# KiCad board 8x8.kicad_pcb (continued)
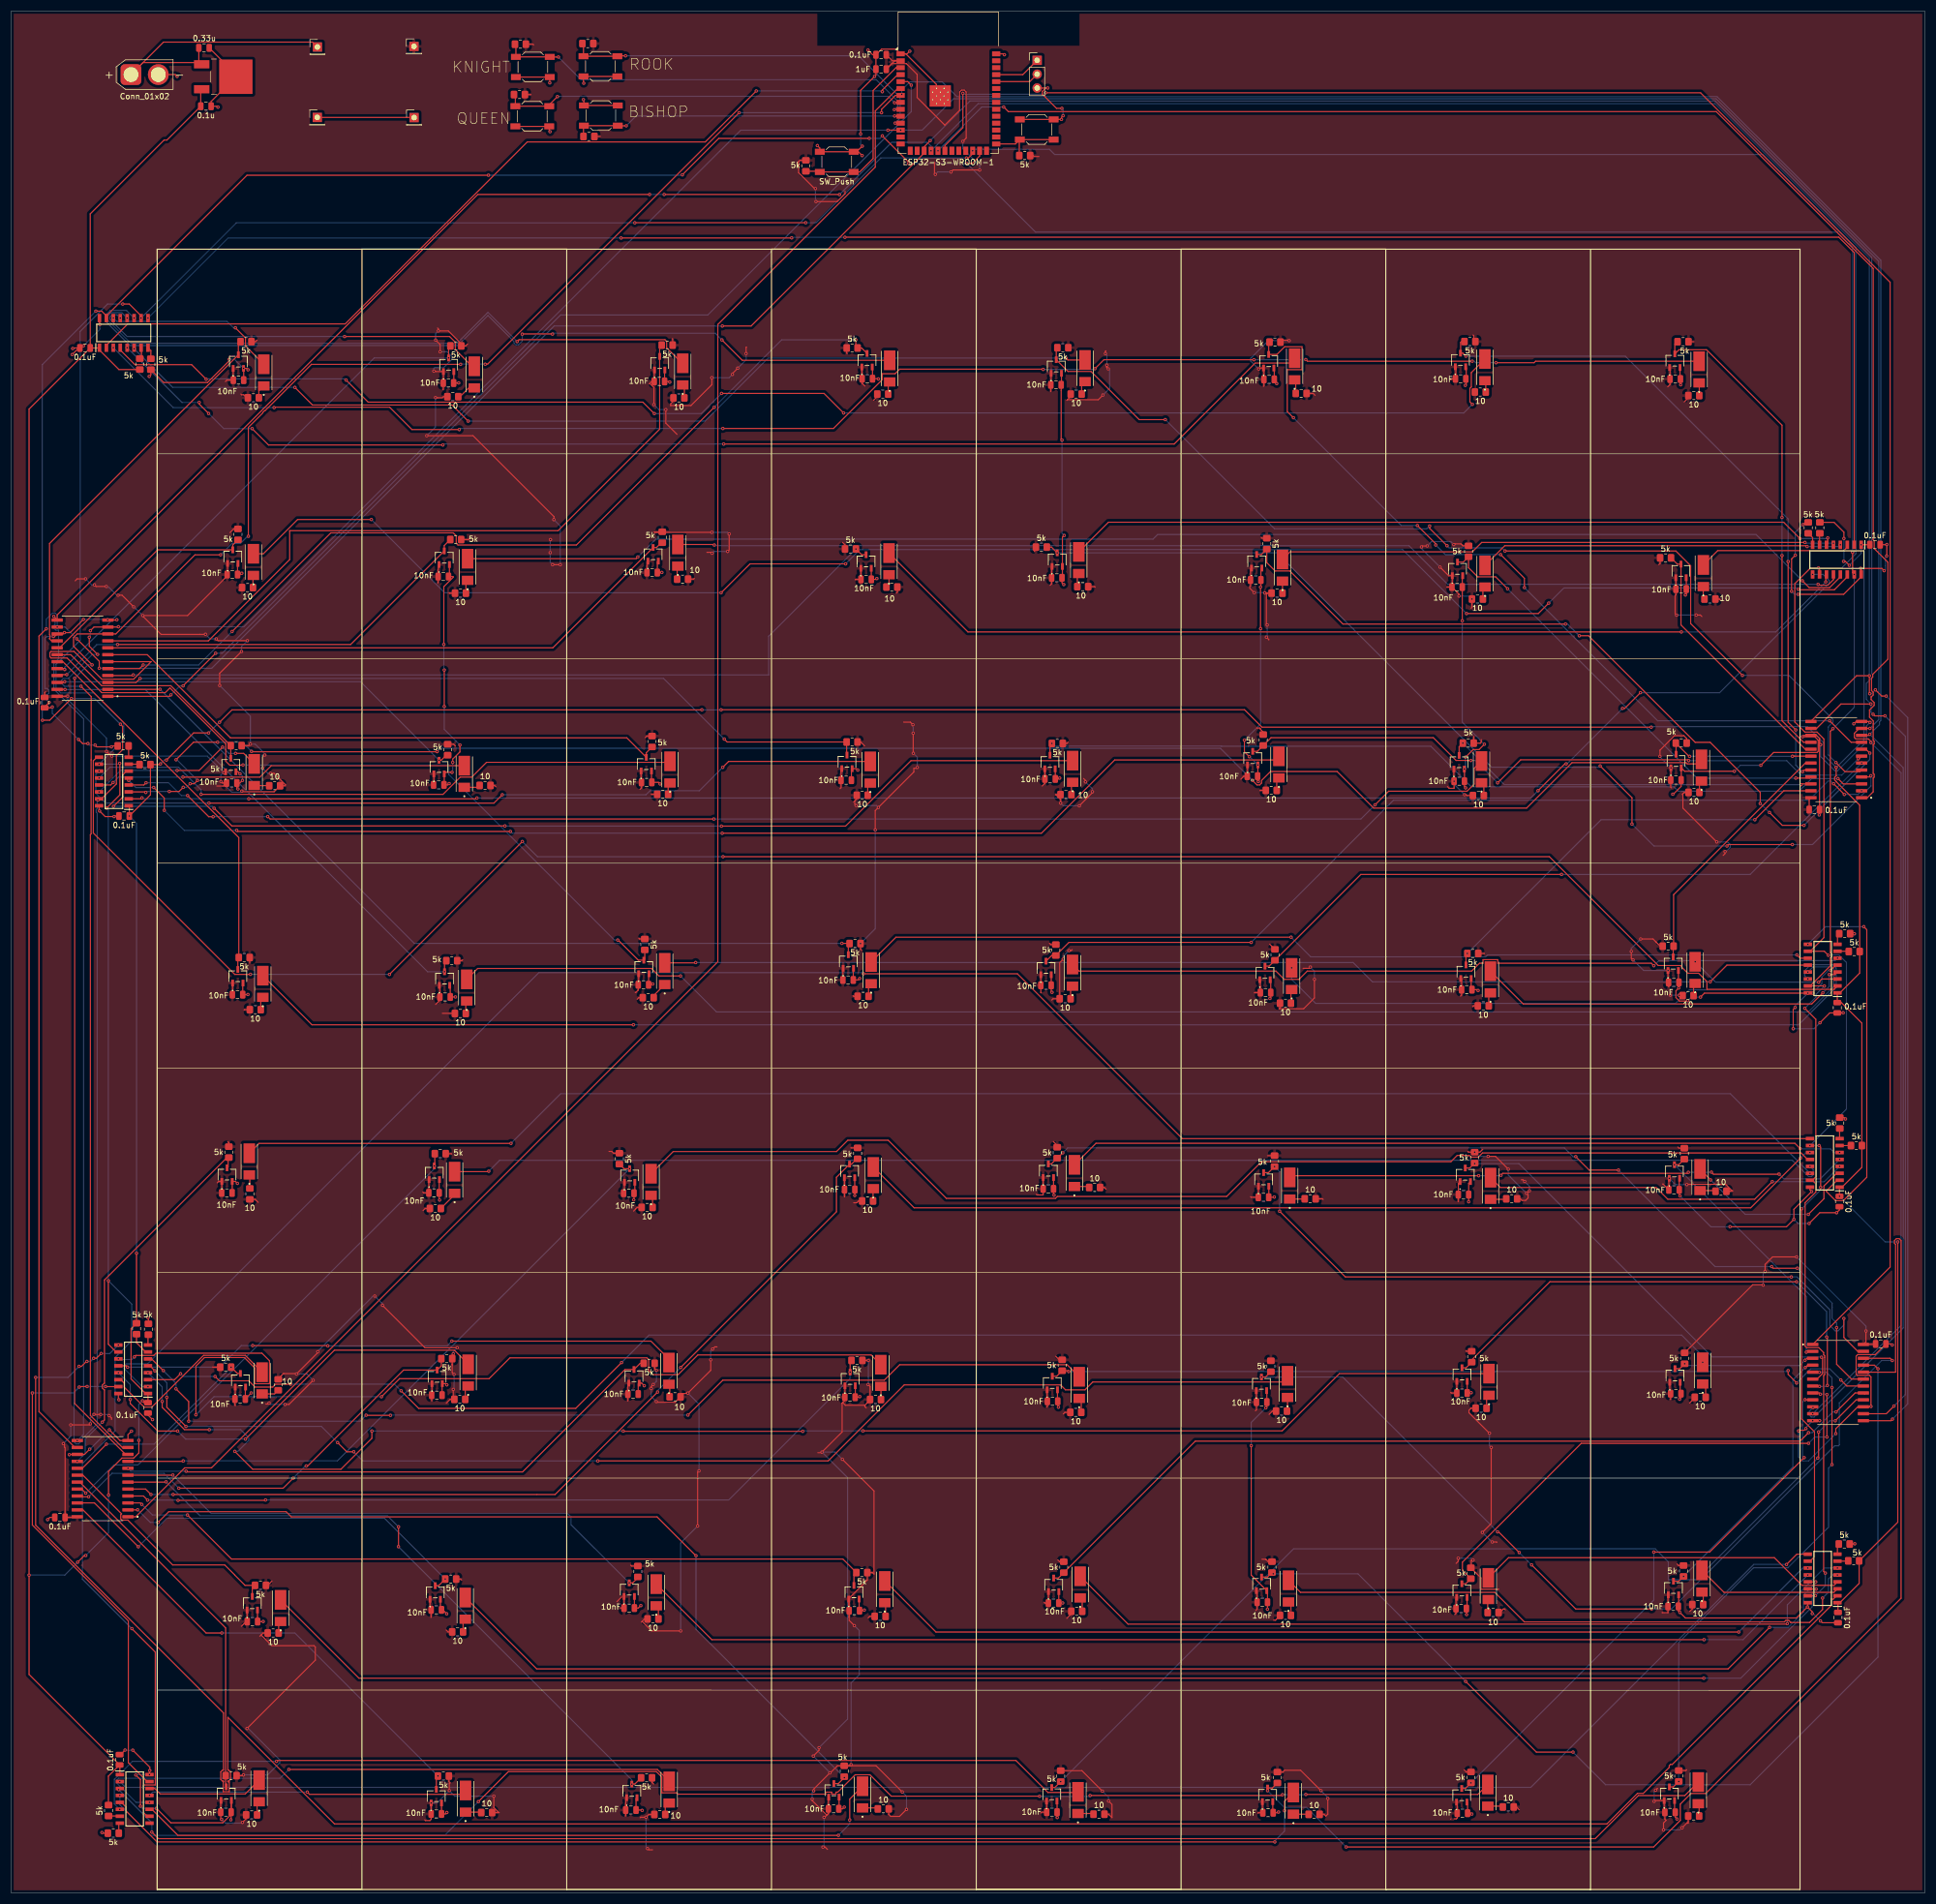
[diagram p0: board, top side]
## Nets (continued)
/HALL24: J47.3 R123.1 U10.2
/HALL25: J60.3 R135.1 U10.23
/HALL26: J58.3 R133.1 U10.22
/HALL27: J54.3 R129.1 U10.21
/HALL28: J55.3 R130.1 U10.20
/HALL29: J66.3 R143.1 U10.19
/HALL30: J67.3 R144.1 U10.18
/HALL31: J62.3 R139.1 U10.17
/HALL32: J63.3 R140.1 U10.16
/HALL33: J8.3 R80.1 U11.9
/HALL34: J3.3 R75.1 U11.8
/HALL35: J6.3 R78.1 U11.7
/HALL36: J4.3 R76.1 U11.6
/HALL37: J16.3 R88.1 U11.5
/HALL38: J14.3 R84.1 U11.4
/HALL39: J11.3 R85.1 U11.3
/HALL40: J12.3 R86.1 U11.2
/HALL41: J24.3 R104.1 U11.23
/HALL42: J22.3 R102.1 U11.22
/HALL43: J19.3 R99.1 U11.21
/HALL44: J20.3 R100.1 U11.20
/HALL45: J31.3 R111.1 U11.19
/HALL46: J32.3 R112.1 U11.18
/HALL47: J27.3 R107.1 U11.17
/HALL48: J28.3 R108.1 U11.16
/HALL49: J40.3 R120.1 U13.9
/HALL50: J35.3 R115.1 U13.8
/HALL51: J38.3 R118.1 U13.7
/HALL52: J36.3 R116.1 U13.6
/HALL53: J53.3 R128.1 U13.5
/HALL54: J51.3 R124.1 U13.4
/HALL55: J48.3 R125.1 U13.3
/HALL56: J49.3 R126.1 U13.2
/HALL57: J61.3 R136.1 U13.23
/HALL58: J59.3 R134.1 U13.22
/HALL59: J56.3 R131.1 U13.21
/HALL60: J57.3 R132.1 U13.20
/HALL61: J68.3 R145.1 U13.19
/HALL62: J69.3 R146.1 U13.18
/HALL63: J64.3 R141.1 U13.17
/HALL64: J65.3 R142.1 U13.16
/IO0: R147.1 SW5.2 U14.27
/Knight_promote: R137.1 SW1.2 U14.9
/Queen_promote: R138.1 SW2.2 U14.8
/RCK: U1.10 U2.10 U3.10 U4.10 U5.10 U6.10 U7.10 U8.10 U14.24
/Rook_promote: R148.1 SW3.2 U14.11
/RX: J70.2 U14.36
/S0: U9.10 U10.10 U11.10 U13.10 U14.7
/S1: U9.11 U10.11 U11.11 U13.11 U14.12
/S2: U9.14 U10.14 U11.14 U13.14 U14.17
/S3: U9.13 U10.13 U11.13 U13.13 U14.18
/SER_IN_1: U2.2 U14.4
/SER_IN_2: U1.2 U2.9
/SER_IN_3: U1.9 U3.2
/SER_IN_4: U3.9 U4.2
/SER_IN_5: U4.9 U5.2
/SER_IN_6: U5.9 U6.2
/SER_IN_7: U6.9 U7.2
/SER_IN_8: U7.9 U8.2
/SRCK: U1.15 U2.15 U3.15 U4.15 U5.15 U6.15 U7.15 U8.15 U14.25
/TX: J70.1 U14.37
Net-(D1-PadA): D1.A R15.2
Net-(D2-PadA): D2.A R16.2
Net-(D3-PadA): D3.A R17.2
Net-(D4-PadA): D4.A R18.2
Net-(D5-PadA): D5.A R19.2
Net-(D6-PadA): D6.A R20.2
Net-(D7-PadA): D7.A R21.2
Net-(D8-PadA): D8.A R22.2
Net-(D9-PadA): D9.A R23.2
Net-(D10-PadA): D10.A R24.2
Net-(D11-PadA): D11.A R25.2
Net-(D12-PadA): D12.A R26.2
Net-(D13-PadA): D13.A R27.2
Net-(D14-PadA): D14.A R28.2
Net-(D15-PadA): D15.A R29.2
Net-(D16-PadA): D16.A R30.2
Net-(D17-PadA): D17.A R31.2
Net-(D18-PadA): D18.A R32.2
Net-(D19-PadA): D19.A R33.2
Net-(D20-PadA): D20.A R34.2
Net-(D21-PadA): D21.A R35.2
Net-(D22-PadA): D22.A R36.2
Net-(D23-PadA): D23.A R37.2
Net-(D24-PadA): D24.A R38.2
Net-(D25-PadA): D25.A R39.2
Net-(D26-PadA): D26.A R40.2
Net-(D27-PadA): D27.A R41.2
Net-(D28-PadA): D28.A R42.2
Net-(D29-PadA): D29.A R43.2
Net-(D30-PadA): D30.A R44.2
Net-(D31-PadA): D31.A R45.2
Net-(D32-PadA): D32.A R46.2
Net-(D33-PadA): D33.A R47.2
Net-(D34-PadA): D34.A R48.2
Net-(D35-PadA): D35.A R49.2
Net-(D36-PadA): D36.A R50.2
Net-(D37-PadA): D37.A R51.2
Net-(D38-PadA): D38.A R52.2
Net-(D39-PadA): D39.A R53.2
Net-(D40-PadA): D40.A R54.2
Net-(D41-PadA): D41.A R55.2
Net-(D42-PadA): D42.A R56.2
Net-(D43-PadA): D43.A R57.2
Net-(D44-PadA): D44.A R58.2
Net-(D45-PadA): D45.A R59.2
Net-(D46-PadA): D46.A R60.2
Net-(D47-PadA): D47.A R61.2
Net-(D48-PadA): D48.A R62.2
Net-(D49-PadA): D49.A R63.2
Net-(D50-PadA): D50.A R64.2
Net-(D51-PadA): D51.A R65.2
Net-(D52-PadA): D52.A R66.2
Net-(D53-PadA): D53.A R67.2
Net-(D54-PadA): D54.A R68.2
Net-(D55-PadA): D55.A R69.2
Net-(D56-PadA): D56.A R70.2
Net-(D57-PadA): D57.A R89.2
Net-(D58-PadA): D58.A R90.2
Net-(D59-PadA): D59.A R91.2
Net-(D60-PadA): D60.A R92.2
Net-(D61-PadA): D61.A R93.2
Net-(D62-PadA): D62.A R94.2
Net-(D63-PadA): D63.A R95.2
Net-(D64-PadA): D64.A R96.2
Net-(U1-DRAIN0): D1.C U1.3
Net-(U1-DRAIN1): D2.C U1.4
Net-(U1-DRAIN2): D3.C U1.5
Net-(U1-DRAIN3): D4.C U1.6
Net-(U1-DRAIN4): D5.C U1.11
Net-(U1-DRAIN5): D6.C U1.12
Net-(U1-DRAIN6): D7.C U1.13
Net-(U1-DRAIN7): D8.C U1.14
Net-(U1-~{CLR}): R1.2 U1.7
Net-(U1-~{G}): R2.2 U1.8
Net-(U2-DRAIN0): D9.C U2.3
Net-(U2-DRAIN1): D10.C U2.4
Net-(U2-DRAIN2): D11.C U2.5
Net-(U2-DRAIN3): D12.C U2.6
Net-(U2-DRAIN4): D13.C U2.11
Net-(U2-DRAIN5): D14.C U2.12
Net-(U2-DRAIN6): D15.C U2.13
Net-(U2-DRAIN7): D16.C U2.14
Net-(U2-~{CLR}): R3.2 U2.7
Net-(U2-~{G}): R4.2 U2.8
Net-(U3-DRAIN0): D17.C U3.3
Net-(U3-DRAIN1): D18.C U3.4
Net-(U3-DRAIN2): D19.C U3.5
Net-(U3-DRAIN3): D20.C U3.6
Net-(U3-DRAIN4): D21.C U3.11
Net-(U3-DRAIN5): D22.C U3.12
Net-(U3-DRAIN6): D23.C U3.13
Net-(U3-DRAIN7): D24.C U3.14
Net-(U3-~{CLR}): R5.2 U3.7
Net-(U3-~{G}): R6.2 U3.8
Net-(U4-DRAIN0): D25.C U4.3
Net-(U4-DRAIN1): D26.C U4.4
Net-(U4-DRAIN2): D27.C U4.5
Net-(U4-DRAIN3): D28.C U4.6
Net-(U4-DRAIN4): D29.C U4.11
Net-(U4-DRAIN5): D30.C U4.12
Net-(U4-DRAIN6): D31.C U4.13
Net-(U4-DRAIN7): D32.C U4.14
Net-(U4-~{CLR}): R7.2 U4.7
Net-(U4-~{G}): R8.2 U4.8
Net-(U5-DRAIN0): D33.C U5.3
Net-(U5-DRAIN1): D34.C U5.4
Net-(U5-DRAIN2): D35.C U5.5
Net-(U5-DRAIN3): D36.C U5.6
Net-(U5-DRAIN4): D37.C U5.11
Net-(U5-DRAIN5): D38.C U5.12
Net-(U5-DRAIN6): D39.C U5.13
Net-(U5-DRAIN7): D40.C U5.14
Net-(U5-~{CLR}): R9.2 U5.7
Net-(U5-~{G}): R10.2 U5.8
Net-(U6-DRAIN0): D41.C U6.3
Net-(U6-DRAIN1): D42.C U6.4
Net-(U6-DRAIN2): D43.C U6.5
Net-(U6-DRAIN3): D44.C U6.6
Net-(U6-DRAIN4): D45.C U6.11
Net-(U6-DRAIN5): D46.C U6.12
Net-(U6-DRAIN6): D47.C U6.13
Net-(U6-DRAIN7): D48.C U6.14
Net-(U6-~{CLR}): R11.2 U6.7
Net-(U6-~{G}): R12.2 U6.8
Net-(U7-DRAIN0): D49.C U7.3
Net-(U7-DRAIN1): D50.C U7.4
Net-(U7-DRAIN2): D51.C U7.5
Net-(U7-DRAIN3): D52.C U7.6
Net-(U7-DRAIN4): D53.C U7.11
Net-(U7-DRAIN5): D54.C U7.12
Net-(U7-DRAIN6): D55.C U7.13
Net-(U7-DRAIN7): D56.C U7.14
Net-(U7-~{CLR}): R13.2 U7.7
Net-(U7-~{G}): R14.2 U7.8
Net-(U8-DRAIN0): D57.C U8.3
Net-(U8-DRAIN1): D58.C U8.4
Net-(U8-DRAIN2): D59.C U8.5
Net-(U8-DRAIN3): D60.C U8.6
Net-(U8-DRAIN4): D61.C U8.11
Net-(U8-DRAIN5): D62.C U8.12
Net-(U8-DRAIN6): D63.C U8.13
Net-(U8-DRAIN7): D64.C U8.14
Net-(U8-~{CLR}): R71.2 U8.7
Net-(U8-~{G}): R72.2 U8.8

Pads without a net: U8 9; U14 13 14 15 16 21 22 23 26 28 29 30 31 32 33 34 35 38 39

## Via types
v1: diameter 0.6, hole 0.3, Top to Bottom, 853 vias

## Routing (per net, layer and track width the routed paths; a pad name or vN(x,y) marks a point on that pad's centre or on a via; arc(x,y) is an arc through that point)
+3.3V: length 1558.8
  Top w0.2: 122.65,91.53 123.58,91.53 123.65,91.6 v1(123.97,91.6) ; v1(303.97,206.15) 303.97,204.2 304.1,204.07 ; 117.84,249.37 117.91,249.3 v1(128.35,249.3) ; 117.84,249.37 117.84,249.38 ; 117.84,249.37 117.86,249.35 119.04,249.35 ; v1(158.28,194.78) 158.28,198.33 v1(158.85,198.9) 165.35,205.4 165.35,206.08 165.83,206.08 v1(165.97,206.23) ; v1(264.23,247.05) 264.35,247.18 265.55,247.18 265.9,246.83 R99.2 ; v1(271.27,64.32) 272.05,64.32 272.12,64.25 ; 228.13,213.43 228.15,213.45 228.67,213.45 228.83,213.3 228.83,213.2 229.33,212.7 R78.2 ; J46.1 153.42,51.82 C68.2 ; 117.5,7.93 116.8,7.93 v1(116.58,8.15) ; 193.46,273.59 199.11,273.59 v1(199.97,274.45) ; 193.46,273.59 194.08,274.2 R26.1 ; 193.46,273.59 193.35,273.48 ; R61.1 80.43,90.45 79.72,89.75 ; R61.1 81,90.65 v1(81,92.28) ; R61.1 81.03,90.45 ; 80.81,96.9 R129.2 80.81,98.61 v1(81.01,98.81) ; 80.81,96.9 80.81,95.37 v1(81.15,95.03) ; 80.81,96.9 80.81,96.79 80.85,96.75 ; v1(165.25,208.83) 165.22,208.85 v1(165.22,212.5) ; 306.17,201.4 306.42,201.65 R31.1 ; 306.17,201.4 306.17,198.78 v1(312.38,192.58) ; 306.17,201.4 306.05,201.28 ; v1(148.7,8.43) 149.1,8.43 149.53,8 ; v1(267.55,237.08) 267.55,235.55 267.4,235.4 ; 193.35,50.32 194.17,51.15 R66.1 ; v1(154.45,49) 153.5,49.95 C68.2 ; R95.1 89.35,14.75 ; 89.35,14.75 88.43,15.68 v1(88.43,17.75) ; 89.35,14.75 89.43,14.75 ; J27.1 304.9,240.96 C46.2 304.9,237.85 304.75,237.7 304.75,234.4 v1(305.02,234.12) ; v1(68.05,107.68) 75.83,99.9 v1(81.72,99.9) ; 152.31,89.86 152.7,90.25 C26.2 152.72,90.87 J50.1 ; 152.31,89.86 152.21,89.76 ; 152.31,89.86 152.8,89.38 156.38,89.38 ; 227.7,164.93 227.75,164.98 C78.2 228.8,167.23 J4.1 ; 301.55,19.15 301.48,19.15 v1(301.17,18.85) ; v1(9.6,82.35) 9.82,82.13 9.82,81.77 9.78,81.73 9.93,81.57 9.93,68.82 12.04,68.82 U10.24 ; 76.9,50.5 76.95,50.55 C57.2 76.75,52.1 J58.1 ; R36.1 117.33,201.3 117.28,201.35 ; 156.38,89.38 156.38,89.12 156.63,88.88 ; 156.38,89.38 157.33,90.32 R59.1 157.33,92.82 v1(156.97,93.18) ; 189.33,205.98 189.35,205.95 C47.2 189.35,203.32 188.85,202.83 ; R34.1 191.35,201.25 ; 191.35,201.25 192.22,200.38 v1(192.22,199.7) ; 191.35,201.25 191.33,201.22 ; 95.72,338.6 95.6,338.73 R137.2 ; v1(14.55,85.97) 14.35,85.78 v1(10.96,85.78) ; v1(278.08,128.68) 277.6,128.2 v1(277.55,128.2) 277.83,127.93 277.83,127.35 277.38,126.9 276.7,126.9 276.4,127.2 R48.1 ; v1(172.15,315.32) 172.5,315.68 v1(177.4,315.68) ; R101.2 81.08,210.48 81.4,210.15 ; 187.4,245.79 187.7,246.09 R84.2 ; R114.2 117.4,20.28 117.7,19.98 ; 190,55.23 189.98,55.21 C9.2 189.35,53.13 189.2,53.28 ; v1(119.93,271.77) 119.93,269.3 121.97,267.25 ; 152.67,127.55 152.65,127.58 C37.2 ; v1(18.47,208.3) 18.37,208.3 v1(17.5,209.18) ; 230,238.1 230.05,238.15 R17.1 ; 230,238.1 229.9,238 229.9,232.48 v1(230.05,232.33) ; 230,238.1 229.9,238.2 v1(229.6,238.2) ; v1(15.3,239.68) 15.6,239.38 v1(17.47,239.38) ; R136.2 230.1,135.1 ; R112.2 306.88,211.52 306.35,212.05 304.64,212.05 301.98,209.38 v1(301.98,208.25) ; v1(38.45,203.68) 38.75,203.38 39.47,203.38 38.93,202.83 37.7,202.83 ; C49.2 161.41,335.69 U14.2 161.84,335.69 C79.2 161.32,335.17 163.98,335.17 165.95,333.2 165.95,328.96 171.01,323.9 173.72,326.61 173.72,329.98 174.08,330.33 174.57,330.33 174.93,329.98 174.93,321.53 v1(174.33,320.93) ; 230.35,229.6 230.35,229.65 v1(229.9,230.1) ; 188.25,318.15 187.33,318.15 187.15,318.32 R147.2 ; 95.2,329.48 95.18,329.5 R138.2 ; R47.1 314.83,128.58 314.9,128.65 315.2,128.65 ; 114.68,163.75 114.97,164.05 R44.1 ; J5.1 115.4,203.56 C66.2 115.47,202.47 115.2,202.2 ; R107.2 302,243.6 301.77,243.38 ; R45.1 81.28,161.18 79,161.18 ; v1(192.7,171.1) 192.05,170.45 R42.1 190.83,163.85 190.58,163.6 ; 42.18,210.23 42.03,210.08 ; R128.2 306.73,22.45 306.88,22.6 ; 230.5,173.85 231.45,172.9 R76.2 ; v1(38.22,221.25) 38.22,223.48 v1(42.22,227.48) ; R89.1 307.15,12.88 ; v1(199.88,18.68) 196.13,22.43 R142.2 191.83,22.43 ; R86.2 190.42,173.78 190.17,174.03 ; R30.1 43.18,273.95 42.62,274.5 42.22,274.5 42.1,274.62 ; 305.1,60.29 305.38,60.02 R124.2 ; v1(270.75,84.25) 267,88 267,88.45 267.38,88.82 R56.1 ; 192.7,87.78 193,88.07 R58.1 ; v1(200.7,279.93) 200.65,279.88 200.65,279.55 v1(200.95,279.25) ; 125.15,240.85 125.03,240.73 R20.1 ; R67.1 157.25,50.69 156.97,50.42 ; R135.2 80.2,20.41 80.43,20.19 80.28,20.04 v1(80.28,18.77) ; 152.75,311.78 152.75,311.35 151.3,309.9 v1(147.42,309.9) ; v1(77.78,284.52) 78.6,283.7 v1(78.6,282.38) ; v1(305.5,164.5) 305.43,164.43 R39.1 ; 116.15,211.68 116.45,211.98 R77.2 ; 187.78,128.03 187.9,127.9 189,127.9 189.03,127.93 C11.2 189.02,129.02 J68.1 ; J21.1 77.45,203.08 C67.2 ; R33.1 228.78,202.03 228.75,202 ; 75.78,13.43 75.91,13.29 76.72,13.29 76.95,13.51 C69.2 v1(76.95,16.51) ; 306.42,273.2 307.17,273.95 R23.1 307.17,273.83 ; 265.02,126.68 265.05,126.7 C8.2 265.05,130.03 J36.1 ; 229.38,276.05 229.45,276.12 229.45,279.87 229.42,279.9 ; v1(296.73,172.53) 296.73,171.28 v1(297.05,170.95) ; v1(15.2,87.7) 16.43,87.7 v1(16.45,87.68) ; J56.1 228.21,55.27 C15.2 228.21,52.01 227.97,51.78 ; R118.2 266.56,99.27 266.45,99.38 ; v1(306.02,11.95) 306.95,12.88 307.15,12.88 ; v1(261.7,242.93) 263.27,241.36 J19.1 263.95,239.35 C40.2 ; R144.2 47,56.38 47.8,57.18 ; 79.1,275.45 79.17,275.52 C65.2 79.2,276.68 J18.1 77.82,278.75 77.75,278.83 v1(77.45,278.83) ; J26.1 40.7,277.21 C75.2 39.53,277.18 39.28,276.93 ; R70.1 46.18,47.65 45.81,47.29 ; R127.2 153.85,136.53 153.83,136.55 ; C33.2 40.6,164.65 J29.1 ; R110.2 43.4,210.23 43.43,210.2 43.55,210.2 v1(43.85,210.5) ; 80.25,238.2 80.3,238.15 R21.1 ; C68.2 153.5,50.62 153.4,50.53 ; C68.2 153.5,54.03 156.82,57.35 R122.2 157.78,58.72 158.05,58.45 158.05,73.68 v1(152.25,79.48) ; v1(164,15.32) 162.72,14.05 161.1,14.05 160.75,14.4 R93.1 ; R41.1 232.4,162.2 232.22,162.03 236.72,162.03 238.7,164 v1(238.7,167.4) ; 152.66,23.33 153.29,23.33 ; R85.2 193.35,210.62 193.6,210.88 ; v1(308.6,234.15) 309.38,234.15 309.65,233.88 ; J48.1 303.77,91.65 C18.2 303.92,90.53 303.83,90.43 ; R87.2 153.05,282.12 153.13,282.05 ; J10.1 152.35,169.38 C28.2 ; 269.52,136.28 269,135.75 v1(268.04,135.75) 266.93,135.75 266.8,135.88 ; 45.28,126.55 44.73,127.09 R54.1 ; U11.24 329.3,200.36 C34.2 ; C80.2 341.37,100.52 U13.24 339.7,100.99 v1(339.7,102.98) ; R90.1 275.7,15.78 276.23,15.25 ; 111.64,52.22 C27.2 J37.1 ; 45.08,284.52 44.78,284.23 R106.2 ; J13.1 155.65,240.69 C35.2 154.67,240.68 154.6,240.61 ; R15.1 312.85,237.08 313.17,236.75 ; 6.35,220.1 6.17,219.92 C25.2 ; 42.2,48.88 43.07,49.75 C59.2 43.25,49.77 J67.1 ; R149.2 144.47,317.45 144.25,317.23 ; 154.22,164.4 154.33,164.3 R43.1 ; 233.1,284.52 233.97,284.52 v1(234.08,284.42) ; J12.1 C44.2 188.6,164.98 188.65,164.93 ; 226.45,206.68 226.45,204.67 C51.2 225.78,204.62 225.22,204.08 ; J3.1 227,242.58 C60.2 227,239.5 226.88,239.37 226.88,239.05 v1(227.67,238.25) ; v1(277.2,130.38) 276.9,130.68 276.58,130.68 ; 307.15,12.88 307.05,12.78 ; 315.2,128.65 314,129.85 306.95,129.85 v1(306.9,129.8) ; 315.2,128.65 315.33,128.65 ; R150.2 107.95,321.82 ; 114.03,124.95 114.4,125.33 114.4,125.35 114.68,125.62 R52.1 ; R141.2 192.05,60.7 191.7,61.05 ; R57.1 231,88.3 230.4,87.7 ; v1(22.47,235.65) 20.35,237.78 v1(19.62,237.78) ; 263.73,13.6 263.65,13.53 ; 236.63,169.43 237.72,169.43 v1(237.95,169.65) ; R104.2 269.78,172.15 269.8,172.12 ; v1(153.85,23.55) 153.63,23.32 R123.2 ; v1(146.72,17.23) 146.72,16.95 149.4,14.28 149.53,14.4 ; 313.55,190.1 313.9,190.45 v1(313.9,190.8) ; 154.53,200.1 154.53,199.5 v1(154.78,199.25) ; 154.53,200.1 154.33,199.9 ; 154.53,200.1 154.9,200.48 R35.1 ; 273.65,51.9 273.5,52.05 273.3,52.05 272.65,51.4 R64.1 ; 151.83,202.33 152.01,202.51 C29.2 152.01,205.86 J9.1 ; v1(271.08,81.65) 271.08,67.7 v1(269.45,66.07) ; R123.2 151.35,23.32 150.05,22.03 v1(149.97,22.03) 147,19.05 v1(147,18.73) ; R123.2 158.42,23.32 v1(163.22,18.53) ; v1(76.15,267) 84.62,267 99.45,252.18 99.45,251.78 99.43,251.75 v1(99.43,251.62) ; R117.2 113.62,59.93 113.47,60.07 ; 303.4,275.95 303.83,276.38 C48.2 303.83,279.42 J28.1 ; R140.2 39.9,137.48 39.72,137.65 ; R105.2 40.8,249.93 40.12,249.25 ; 190.47,278.43 190.47,276.37 C38.2 190.42,275.1 190.4,275.08 ; 115.58,49.78 116.03,50.23 R68.1 ; 115.58,49.78 117.33,48.03 v1(122.65,48.03) ; 115.58,49.78 115.45,49.65 ; 266.12,22.57 266.51,22.19 R120.2 ; J17.1 78.23,243.23 C64.2 78.23,240.11 78.15,240.03 ; J7.1 117.8,278.99 C30.2 117.35,276.95 116.99,276.59 ; R145.2 191.59,136.98 190.88,137.7 ; J57.1 229.17,14.8 C14.2 228.42,14.72 228.35,14.65 ; 109.53,135.88 110.03,135.88 110.35,135.55 R119.2 ; 264.65,60.4 265.02,60.78 v1(265.02,61.35) ; R22.1 42.25,239.18 41.75,238.68 ; J47.1 149.7,17.53 C36.2 149.7,14.57 149.53,14.4 ; v1(266.2,201.23) 266.2,201.22 266.48,201.22 266.62,201.08 R32.1 ; J2.1 114.95,166.49 C74.2 114.88,165.45 114.43,165 114.33,165 ; v1(38.98,205.28) 39.15,205.28 J30.1 ; 152.21,89.76 152.17,89.73 ; 152.21,89.76 152.21,84.49 v1(148.53,80.8) 148.4,80.68 147.78,80.68 ; v1(228.5,279.23) 228.67,279.4 J8.1 ; 301.3,174.2 302.02,173.48 R111.2 ; 301.3,174.2 301.2,174.3 ; 301.3,174.2 300.7,174.8 v1(298.45,174.8) ; R82.2 155.61,210.89 156.33,210.18 ; R132.2 232.92,22.17 233.25,22.5 236.17,22.5 v1(239.9,18.77) ; R126.2 305.46,136.47 305.25,136.68 ; v1(17.97,87.48) 18.43,87.03 18.43,86.75 ; v1(125.75,67.25) 125.75,77.1 v1(126,77.35) ; 228.95,248.4 229.12,248.23 R75.2 ; v1(267.75,61) 267.67,60.93 267.42,60.93 267.42,59.69 R115.2 269.2,57.74 269.2,55.65 272.37,55.65 272.42,55.7 ; v1(265.17,237.62) 265.17,237.98 C40.2 ; 144.25,317.23 144.08,317.05 ; 144.25,317.23 144.25,315.19 147.16,312.28 v1(147.33,312.28) ; J51.1 303.45,54.6 C23.2 303.45,51.37 302.41,51.37 302.38,51.4 ; 83.88,248.08 83.78,247.98 R97.2 ; R74.2 115.12,174.8 114.97,174.95 ; R94.1 116.8,14.4 v1(116.3,13.9) 115.33,13.9 115.22,13.8 ; v1(118.18,90.05) 118.31,89.92 121.62,89.92 R60.1 ; v1(195.65,199.2) 198.05,201.6 v1(198.05,201.78) ; v1(241.15,17.32) 241.15,14.45 240.8,14.1 240.47,14.43 R91.1 ; 162.13,238.15 162.33,238.35 R19.1 ; 75.43,128.43 75.56,128.29 C53.2 76.52,130.68 J55.1 ; v1(148.9,13.88) 149,13.88 149.53,14.4 ; J52.1 152.65,131.03 C37.2 ; R108.2 308.17,284.23 ; 78.12,286.73 78.28,286.58 v1(78.28,286.2) 80.1,286.2 82.47,283.83 R98.2 83.28,283.45 83.62,283.8 ; 77.78,162.8 78.55,163.58 C77.2 78.55,166.21 J23.1 ; 263.05,202.73 263.38,202.4 264.23,202.4 264.27,202.45 v1(264.27,203.7) ; J54.1 77.1,91.27 C43.2 77.05,90.24 77.1,90.19 ; v1(117.62,93.18) 117.25,92.8 v1(117.25,92.43) ; R131.2 230.25,60.72 229.9,61.07 229.85,61.07 229.78,61.15 229.1,61.15 ; R37.1 88.58,202.93 88.83,202.68 ; 196.42,204.2 196.78,203.85 v1(196.78,203.58) ; R109.2 43.72,170.38 ; v1(169.28,314.88) 169.13,315.03 169.13,317.05 ; v1(123.97,91.6) 128.15,95.78 v1(128.15,97.7) ; v1(123.97,91.6) 124,91.62 ; 263.65,91.73 263.76,91.62 C19.2 J38.1 ; v1(274.2,132.62) 271.85,134.98 v1(270.5,134.98) ; 42.7,161.78 42.78,161.85 R46.1 ; v1(117.75,272.7) 117.75,275.83 116.99,276.59 ; 227,127.58 227.11,127.47 C55.2 228.45,127.5 J61.1 ; v1(321.23,113.88) 321.23,115.18 322.6,116.55 v1(327,116.55) ; 80.7,135.4 80.63,135.47 R130.2 ; 264.4,51.02 264.62,51.25 C20.2 264.62,54.06 J35.1 ; R113.2 117.89,96.09 117.95,96.03 117.95,96.03 v1(118.2,95.78) ; v1(147.98,26.63) 147.98,26.16 v1(146.92,25.1) ; 46.68,89.6 47.1,89.6 v1(47.28,89.78) ; 154.33,126.48 154.9,126.48 155.22,126.8 R51.1 ; v1(259.35,246.8) 258.5,246.8 258.33,246.62 v1(258.3,246.62) ; 11.78,240.43 12.12,240.78 v1(13.68,240.78) ; J39.1 112.35,128.37 C45.2 ; R103.2 82.55,170.83 82.72,171 ; 307.42,51.6 307.9,52.07 R63.1 ; v1(100.6,243.38) v1(99.2,243.38) ; v1(131.53,249) 131.53,246.08 v1(131.25,245.8) ; v1(303.67,130.95) 303.6,130.88 C21.2 302.54,129.9 302.45,129.9 ; 75.47,125.05 75.85,125.43 R53.1 ; 163.47,214.53 164.7,214.53 v1(165.17,214.05) ; 200.55,128.95 200.22,129.28 R50.1 ; J65.1 189.67,16.82 C10.2 188.75,14.82 188.6,14.68 ; v1(46.5,208.5) 46.1,208.1 v1(46.1,206.08) ; 134.7,283.25 134.63,283.18 v1(134.63,282.05) ; C37.2 152.24,128.49 ; 264.25,13.6 264.7,13.6 264.85,13.75 C17.2 264.85,16.55 J40.1 ; v1(56.2,99.18) 56.2,99.03 v1(52.28,95.1) 52.2,95.18 49.9,95.18 48.95,94.23 R62.1 ; R40.1 267.83,162.55 267.67,162.4 ; v1(55.35,93.95) 50.93,89.53 v1(50.2,89.53) ; J25.1 39.68,241.64 C63.2 39.6,241.3 32.35,234.05 v1(24.15,234.05) 24.15,233.95 27.5,230.6 35.6,230.6 v1(35.62,230.62) ; R79.2 121.18,284.73 121.12,284.77 ; 116.65,244.03 116.47,243.85 116.47,241.93 ; R143.2 42.45,21.52 v1(42.58,21.65) ; 8.47,219.26 9.98,219.26 10,219.28 10.4,219.28 v1(10.4,219.28) ; 157.03,97.6 v1(157.02,97.59) R121.2 ; 112.53,14.12 112.58,14.18 C31.2 112.58,17.3 J34.1 ; 189.65,89.03 189.79,89.17 C12.2 189.75,90.14 J69.1 ; 231.22,50 231.58,50 232.4,50.82 R65.1 ; 194.35,172.85 194.17,172.68 v1(193.75,172.68) ; 303.62,166 303.55,166.07 C50.2 303.45,166.94 v1(303.45,169.03) ; 269.25,211.33 269.25,210.85 269.08,210.68 R102.2 267.88,211.9 ; 37.78,130.12 38.03,130.38 J63.1 38.62,128.3 C70.2 ; v1(128.4,245.48) 128.25,245.62 127.45,245.62 ; J15.1 155.83,277.5 C42.2 155.88,276.6 156.38,276.1 ; 238.83,274.4 238.47,274.75 R25.1 ; v1(128.5,99.68) 128.9,100.07 129.3,100.07 ; 113.15,93.43 112.97,93.26 112.97,90.2 112.93,90.15 ; v1(300.9,16.8) 301.06,16.96 J53.1 302.75,14.93 C22.2 302.88,13.55 303.1,13.32 302.62,12.85 v1(302.62,11.57) ; 190.3,239.59 190.58,239.87 C56.2 190.58,242.98 J14.1 ; 306.15,98.98 R125.2 318.97,111.45 320.82,111.45 v1(320.88,111.4) ; 198.55,239.25 198.45,239.35 R18.1 ; J62.1 41.07,90.57 C54.2 41.03,89.38 41.1,89.3 ; v1(37.6,229.78) 37.93,229.45 v1(43.3,229.45) ; J59.1 228.09,92.02 C13.2 228.09,88.54 227.9,88.35 ; 157.97,273.5 158.65,274.18 R27.1 ; 264.52,279.5 264.6,279.43 264.6,277.43 263.88,277.43 263.67,277.23 ; 45.81,47.29 47.78,45.32 55.5,45.32 55.75,45.07 55.75,42.68 v1(43.22,30.15) ; 45.81,47.29 45.58,47.05 ; R28.1 121.33,273.35 120.83,272.85 120.83,272.55 120.8,272.52 124.52,272.52 128.35,276.35 v1(128.35,277.62) ; C40.2 262.95,239.28 ; 264,203.75 264.23,203.97 264.23,205.9 J22.1 ; 304.08,202.48 303.95,202.6 C58.2 ; 116.99,276.59 116.9,276.5 ; R49.1 240.17,127.2 240.3,127.08 ; R92.1 201,14.45 201.63,13.82 201.63,16.25 v1(201,16.88) ; v1(47.5,205.15) 48.18,205.15 50.3,203.03 50.15,202.88 R38.1 48.19,201.76 42.42,201.76 v1(42.28,201.9) ; 265.45,164.33 265.65,164.53 C41.2 265.65,167.4 J24.1 ; 80.22,274.15 79.2,274.15 79,273.95 77.78,273.95 v1(77.75,273.98) ; R96.1 43.08,13.62 v1(42.4,12.95) ; R81.2 152.74,247.02 152.3,247.46 ; v1(200.42,282.05) 200.42,282.45 200.53,282.55 ; v1(155.58,173.96) 155.58,172.92 155.78,172.71 ; 38.62,13.28 38.43,13.48 C24.2 38.43,16.93 J66.1 ; R55.1 308.35,90.73 307.4,89.78 ; 267.88,284.5 267.88,285.33 267.75,285.45 ; 79.7,48.2 80.05,47.85 R69.1 ; v1(133.1,279.38) 132.13,278.4 v1(132.13,278.23) ; R133.2 82.34,57.53 82.53,57.35 ; 111.82,54.24 110.97,53.4 ; 191.33,98.35 191.97,97.7 R146.2 ; 36.95,96.38 36.98,96.35 R139.2
  Bottom w0.2: v1(118.2,95.78) 118.2,93.75 v1(117.62,93.18) ; v1(172.15,315.32) 169.72,315.32 v1(169.28,314.88) ; v1(128.35,249.3) 131.22,249.3 v1(131.53,249) ; v1(56.2,99.18) 56.2,99.27 66.3,109.38 v1(66.62,109.38) 68.05,107.95 v1(68.05,107.68) ; v1(306.9,129.8) 304.83,129.8 v1(303.67,130.95) ; v1(15.2,87.7) 14.55,87.04 v1(14.55,85.97) ; v1(153.85,23.55) 153.85,38.5 155.35,40 155.35,48.1 v1(154.45,49) ; v1(47.5,205.15) 47.03,205.15 v1(46.1,206.08) ; v1(193.75,172.68) 192.7,171.62 v1(192.7,171.1) ; v1(17.97,87.48) 17.78,87.68 v1(16.45,87.68) ; v1(99.2,243.38) 98.75,243.83 v1(98.75,245.58) 98.75,247.93 v1(98.8,247.98) ; v1(77.75,273.98) 77.75,268.6 v1(76.15,267) ; v1(46.5,208.5) 46.5,208.73 44.72,210.5 v1(43.85,210.5) 43.85,215.62 v1(38.22,221.25) ; v1(122.65,48.03) 122.65,64.15 v1(125.75,67.25) ; v1(265.02,61.35) 267.4,61.35 v1(267.75,61) ; v1(227.67,238.25) 229.55,238.25 v1(229.6,238.2) ; v1(147,18.73) 146.72,18.45 v1(146.72,17.23) ; v1(200.42,282.05) 200.7,281.77 v1(200.7,279.93) ; v1(117.75,272.7) 118.68,271.77 v1(119.93,271.77) ; v1(303.88,164.5) 305.5,164.5 v1(305.5,164.5) ; v1(297.05,170.95) 298.98,169.03 v1(303.45,169.03) ; v1(116.58,8.15) 116.3,8.43 v1(116.3,13.9) ; v1(134.63,282.05) 134.63,280.9 v1(133.1,279.38) ; v1(339.7,102.98) 339.7,103.85 v1(327,116.55) ; v1(81.15,95.03) 81.15,92.43 v1(81,92.28) ; v1(43.22,30.15) 43.47,30.15 49.24,24.39 49.24,23.89 47,21.65 v1(42.58,21.65) ; v1(308.6,234.15) 305.05,234.15 v1(305.02,234.12) ; v1(147.42,309.9) 147.33,310 v1(147.33,312.28) ; v1(152.25,79.48) 150.92,80.8 v1(148.53,80.8) 153.21,76.11 153.21,31.86 v1(147.98,26.63) ; v1(198.05,201.78) 198.05,202.3 v1(196.78,203.58) ; v1(306.02,11.95) 305.65,11.57 v1(302.62,11.57) ; v1(77.45,278.83) 77.45,279.34 77.59,279.48 79.23,279.48 80.75,281 80.75,281.49 79.87,282.38 v1(78.6,282.38) ; v1(296.73,172.53) 296.73,173.08 v1(298.45,174.8) ; v1(10.4,219.28) 10.4,218.68 17.5,211.58 v1(17.5,209.18) ; v1(234.08,284.42) 230.27,284.42 227.02,281.17 227.02,280.68 228.48,279.23 v1(228.5,279.23) ; v1(267.55,237.08) 267,237.62 v1(265.17,237.62) ; v1(126,77.35) 126,89.57 v1(123.97,91.6) ; v1(195.65,199.2) 192.72,199.2 v1(192.22,199.7) ; v1(277.2,130.38) 278.08,129.5 v1(278.08,128.68) ; v1(201,16.88) 201,17.55 v1(199.88,18.68) ; v1(55.35,93.95) 54.2,95.1 v1(52.28,95.1) ; v1(266.2,201.23) 264.48,202.95 264.48,203.5 v1(264.27,203.7) ; v1(239.9,18.77) 241.15,17.52 v1(241.15,17.32) ; v1(199.97,274.45) 201.2,275.68 201.2,279.02 201.17,279.02 v1(200.95,279.25) ; v1(117.25,92.43) 117.25,90.98 v1(118.18,90.05) ; v1(230.05,232.33) 230.05,230.25 v1(229.9,230.1) ; v1(271.08,81.65) 270.75,81.98 v1(270.75,84.25) ; v1(81.72,99.9) 81.01,99.18 v1(81.01,98.81) ; v1(157.02,97.59) 157.02,93.22 v1(156.97,93.18) ; v1(174.33,320.93) 174.33,319.57 177.4,316.5 v1(177.4,315.68) ; 132.15,278.25 v1(132.13,278.23) 131.53,277.62 v1(128.35,277.62) ; v1(148.7,8.43) 148.9,8.62 v1(148.9,13.88) ; v1(131.25,245.8) 128.72,245.8 v1(128.4,245.48) ; v1(271.27,64.32) 271.2,64.32 v1(269.45,66.07) ; v1(19.62,237.78) 19.4,237.78 17.95,239.23 17.62,239.23 v1(17.47,239.38) ; v1(128.15,97.7) 128.15,99.32 v1(128.5,99.68) ; v1(22.47,235.65) 22.55,235.65 v1(24.15,234.05) ; v1(99.43,251.62) 100.6,250.45 v1(100.6,243.38) ; v1(268.04,135.75) 268.81,134.98 v1(270.5,134.98) ; v1(312.38,192.58) 314.35,192.58 314.85,192.08 314.85,191.58 314.06,190.8 v1(313.9,190.8) ; v1(77.78,284.52) 77.78,285.7 v1(78.28,286.2) ; v1(13.68,240.78) 14.78,239.68 v1(15.3,239.68) ; v1(320.88,111.4) 320.88,113.53 v1(321.23,113.88) ; v1(149.97,22.03) 149.97,22.07 146.95,25.1 v1(146.92,25.1) ; v1(47.28,89.78) 47.53,89.53 v1(50.2,89.53) ; v1(259.35,246.8) 260.15,247.6 263.67,247.6 v1(264.23,247.05) ; v1(88.43,17.75) 81.29,17.75 v1(80.28,18.77) 78.02,16.51 v1(76.95,16.51) ; v1(155.58,173.96) 158.28,176.66 v1(158.28,194.78) ; v1(258.3,246.62) 258.3,246.33 v1(261.7,242.93) ; v1(165.25,208.83) 165.97,208.1 v1(165.97,206.23) ; v1(237.95,169.65) 238.7,168.9 v1(238.7,167.4) ; v1(38.58,13.52) 39.28,12.82 42.27,12.82 v1(42.4,12.95) ; v1(10.96,85.78) 10.96,83.71 v1(9.6,82.35) ; v1(303.97,206.15) 301.98,208.15 v1(301.98,208.25) ; v1(18.47,208.3) 35.95,208.3 v1(38.98,205.28) 39.12,205.42 39.03,205.42 38.45,204.83 v1(38.45,203.68) 40.45,201.67 42.06,201.67 v1(42.28,201.9) ; v1(165.22,212.5) 165.22,214 v1(165.17,214.05) ; v1(163.22,18.53) 164,17.75 v1(164,15.32) ; v1(43.3,229.45) 42.22,228.38 v1(42.22,227.48) ; v1(37.6,229.78) 36.47,229.78 v1(35.62,230.62) ; v1(301.17,18.85) 300.9,18.57 v1(300.9,16.8) ; v1(277.55,128.2) 274.2,131.55 v1(274.2,132.62) ; v1(154.78,199.25) 158.5,199.25 v1(158.85,198.9)
